# Altium PCB PCB Getway.PcbDoc (continued)
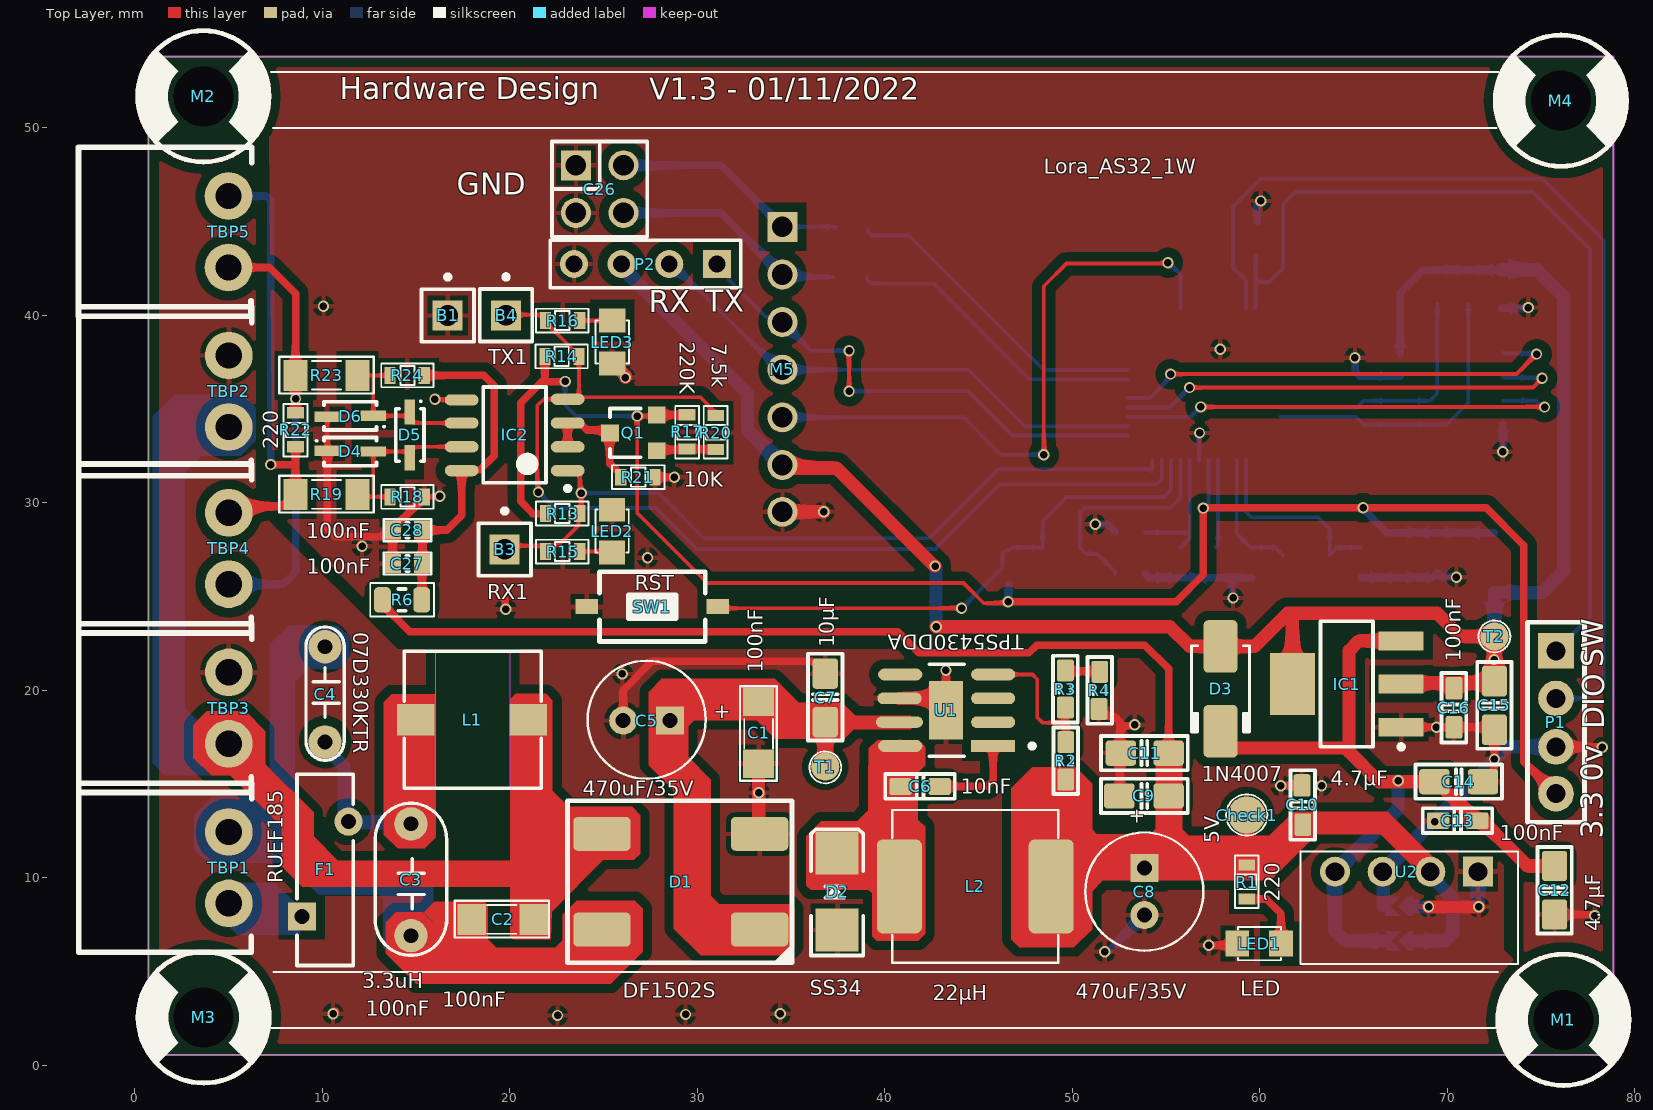
[diagram p0: Top Layer view]
## Footprints (in the part's own frame and the unit in brackets; to place one, negate y for a bottom-side part, rotate by r counter-clockwise, add the part's x,y. Pads: shape width x height; smd on the part's side, far side on the other; paste and mask are expansions set on the pad) (continued)
  Top Layer region: 0.673,0.508 0.419,0.508 -0.089,0 0.419,-0.508 0.673,-0.508
  Top Layer region: -0.743,0 -0.489,0 0.019,0.508 -0.743,0.508
  Top Layer region: -0.743,0 -0.489,0 0.019,-0.508 -0.743,-0.508
  silkscreen extent -1.3,-0.61 1.4,0.61
SB_0603#2 [mm]
  rect 0.9x1.016 smd: 1(0.898,0)
  rect 0.7x1.016 smd mask-0.051: 2(-0.857,0)
  Top Layer region: 0.714,0.508 0.46,0.508 -0.048,0 0.46,-0.508 0.714,-0.508
  Top Layer region: -0.743,0 -0.489,0 0.019,0.508 -0.743,0.508
  Top Layer region: -0.743,0 -0.489,0 0.019,-0.508 -0.743,-0.508
  silkscreen extent -1.3,-0.61 1.4,0.61
SMD-2 [mm]
  round 2 smd paste+0 mask+0: 1(0,0)
  silkscreen extent -1.1,-1.1 1.1,1.1
SMD_1.5#1 [mm]
  round 1.5 smd paste+0 mask+0: 1(0,0.041)
  silkscreen extent -0.85,-0.85 0.85,0.85
SMD_1.5#2 [mm]
  round 1.5 smd paste+0 mask+0: 1(0,0)
  silkscreen extent -0.85,-0.85 0.85,0.85
SO8 [mm] "SOIC, 8-Leads, Body 4.9x3.9mm, Pitch 1.27mm, IPC High Density"
  oval 1.8x0.6 smd: 1(-2.825,1.905) 2(-2.825,0.635) 3(-2.825,-0.635) 4(-2.825,-1.905) 5(2.825,-1.864) 6(2.825,-0.635) 7(2.825,0.635) 8(2.825,1.905)
  silkscreen extent -2.95,-2.55 1.68,2.98, body extent -2.99,-2.45 3,2.45, height 1.6
SOT23-321 [mm]
  rect 0.9x0.95 smd mask+0: 1(0.95,-1.25)
  rect 0.9x0.95 smd: 2(0,1.25) 3(-0.95,-1.25)
  silkscreen extent -1.3,-0.38 1.3,1.25, body extent -1.52,-1.23 1.48,1.27, height 1.06
SOT223 [mm]
  rect 1x2.4 smd: 1(-2.3,-2.9) 2(0,-2.9) 3(2.3,-2.9)
  rect 3.3x2.4 smd: 4(0,2.9)
  silkscreen extent -3.47,-3.03 3.35,1.4, body extent -3.25,-3.56 3.25,3.4, height 1.68
STM32G070CBT6 [mm]
  rect 1.355x0.212 smd paste+0 mask+0: 1(-4.075,2.75)
  rrect100% 1.355x0.212 smd paste+0 mask+0: 2(-4.075,2.25) 3(-4.075,1.75) 4(-4.075,1.25) 5(-4.075,0.75) 6(-4.075,0.25) 7(-4.075,-0.25) 8(-4.075,-0.75) 9(-4.075,-1.25) 10(-4.075,-1.75) 11(-4.075,-2.25) 12(-4.075,-2.75) 25(4.075,-2.75) 26(4.075,-2.25) 27(4.075,-1.75) 28(4.075,-1.25) 29(4.075,-0.75) 30(4.075,-0.25) 31(4.075,0.25) 32(4.075,0.75) 33(4.075,1.25) 34(4.075,1.75) 35(4.075,2.25) 36(4.075,2.75)
  rrect100% 0.212x1.355 smd paste+0 mask+0: 13(-2.75,-4.075) 14(-2.25,-4.075) 15(-1.75,-4.075) 16(-1.25,-4.075) 17(-0.75,-4.075) 18(-0.25,-4.075) 19(0.25,-4.075) 20(0.75,-4.075) 21(1.25,-4.075) 22(1.75,-4.075) 23(2.25,-4.075) 24(2.75,-4.075) 37(2.75,4.075) 38(2.25,4.075) 39(1.75,4.075) 40(1.25,4.075) 41(0.75,4.075) 42(0.25,4.075) 43(-0.25,4.075) 44(-0.75,4.075) 45(-1.25,4.075) 46(-1.75,4.075) 47(-2.25,4.075) 48(-2.75,4.075)
  silkscreen extent -4.3,-2.75 2.75,3.66, body extent -4.5,-4.5 4.5,4.5, height 1.6
SW1-SMD [mm]
  rect 1.2x0.8 smd: 1(-3.5,0) 2(3.5,0)
  silkscreen extent -2.82,-1.85 2.82,1.85, body extent -3.05,-1.85 3.05,1.85, height 2.5
Terminal_Blocks_Pluggable_Socket__Right_Angle__3.81_mm_Pitch__2_Position [mm]
  round 2.54 hole 1.4 mask+0.127: 1(-1.905,0) 2(1.905,0)
  silkscreen extent -4.51,-8 4.5,1.23, body extent -4.4,-8 4.41,1.2, height 7.21
Test [mm] "1pins, 1 row, straight, gold plating"
  rect 1.6x1.6 hole 1.1: 1(0,0)
  silkscreen extent -1.4,-1.4 1.4,2.17, body extent -1.27,-1.27 1.27,1.27, height 8.54
TPS5430 [mm]
  rect 2.353x0.622 smd paste+0 mask+0: 1(-2.477,1.905)
  rrect100% 2.353x0.622 smd paste+0 mask+0: 2(-2.477,0.635) 3(-2.477,-0.635) 4(-2.477,-1.905) 5(2.477,-1.905) 6(2.517,-0.635) 8(2.477,1.905)
  rrect100% 2.5x0.6 smd paste+0 mask+0: 7(2.517,0.635)
  rect 1.8x3.1 smd paste-1000 mask+0: 9(0.041,0)
  silkscreen extent -4.68,-2.45 0.93,2.45, body extent -4.15,-2.95 4.15,2.95, height 0.25
"VIT - 3.2MM_2" [mm]
  round 0 hole 3.2 unplated: 1(0,0)
  Top Layer circle w0.254: c0,0 r3.5
  Bottom Layer circle w0.2: c0,0 r3.5
  silkscreen extent -3.5,-3.51 3.5,3.51
XT4-16.000MHz-4_V [mm] "Hand Drawn, 4-Leads, Body 3.2x2.5 mm"
  rect 1.4x1.2 smd: 1(-1.1,-0.8) 2(1.1,-0.8) 3(1.1,0.8) 4(-1.1,0.8)
  silkscreen extent -2.47,-0.93 -2.23,-0.68, body extent -1.6,-1.25 1.6,1.25, height 0.9
XTAL_3215 [mm]
  rect 1x1.8 smd: 1(-1.25,0) 2(1.25,0)
  silkscreen extent -0.6,-0.75 0.6,0.75, body extent -1.6,-0.75 1.6,0.75, height 0.81

## Part data
B1 B3 B4 Check1 T1 T2: library part Test, "WR-PHD 2.54 mm Angled Socket Header", Manufacturer="W¨¹rth Elektronik eiSos GmbH", partNo=613002143121, ComponentLink1 Description=Manufacturer, ComponentLink1URL=http://www.we-online.com, ComponentLink2 Description=Datasheet, ComponentLink2URL=http://katalog.we-online.de/em/datasheet/6130xx143121.pdf, Created by="Karrer Zheng", Created Date="29 March 2013", NoPins=02
C1 C2 C3 C4 C20 C21 C22 C23 C24 C25 C27 C28: library part CN
C5 C8: library part CN-ALU-DIP, "Capacitor (Semiconductor SIM Model)", LatestRevisionDate=17-Jul-2002, LatestRevisionNote="Re-released for DXP Platform.", PackageReference=C1206, Publisher="Altium Limited"
C6: library part CAPC_10000pF_0603_50V_10%, "10000pF ±10% 50V Ceramic Capacitor X7R 0603 (1608 Metric)", Manufacturer 1="TDK Corporation", Manufacturer Part Number 1=CGA3E2X7R1H103K080AA, Operating Temperature="-55°C ~ 125°C", Package / Case="0603 (1608 Metric)", Ratings=AEC-Q200, Supplier Part Number 1=445-5662-6-ND, Temperature Coefficient=X7R, Tolerance=±10%, Voltage - Rated=50V, Pcs 2=10, Price 2=1900, Supplier 1=Digi-Key, Supplier 2=https://www.thegioiic.com, Supplier Part Number 2=https://www.thegioiic.com/products/tu-gom-0603-10nf-50v
C7: library part CAPC_10uF_0805_X7R_25V_10%, "10µF ±10% 25V Ceramic Capacitor X7R 1206 (3216 Metric)", Manufacturer 1="Taiyo Yuden", Manufacturer Part Number=TMK316AB7106KLHT, Operating Temperature="-55°C ~ 125°C", Package / Case="0805 (2012 metric)", Ratings=AEC-Q200, Supplier Part Number 1=587-3485-6-ND, Temperature Coefficient=X7R, Tolerance=±10%, Voltage - Rated=25V, Pcs 2=10, Price 2=5800, Supplier 1=Digi-Key, Supplier 2=https://www.thegioiic.com, Supplier Part Number 2=https://www.thegioiic.com/products/tu-gom-0805-10uf-25v
C9: library part CAPC_100nF_0805_X7R_50V_10%, "0.1µF ±10% 50V Ceramic Capacitor X7R 0805 (2012 Metric)", Manufacturer 1="Samsung Electro-Mechanics", Manufacturer Part Number=CL21B104KBFXPJE, Operating Temperature="-55°C ~ 125°C", Package / Case="0805 (2012 metric)", Ratings=AEC-Q200, Supplier Part Number 1=1276-CL21B104KBFXPJEDKR-ND, Temperature Coefficient=X7R, Tolerance=±10%, Voltage - Rated=50V, Pcs 2=10, Price 2=2000, Supplier 1=Digi-Key, Supplier 2=https://www.thegioiic.com, Supplier Part Number 2=https://www.thegioiic.com/products/tu-gom-0805-100nf-0-1uf-50v
C10 C13 C16 C17 C18 C19: library part CAPC_100nF_0603_X7R_50V_10%, "0.1µF ±10% 50V Ceramic Capacitor X7R 0603 (1608 Metric)", Manufacturer 1="TDK Corporation", Manufacturer Part Number 1=CGA3E2X7R1H104K080AA, Operating Temperature="-55°C ~ 125°C", Package / Case="0603 (1608 Metric)", Ratings=AEC-Q200, Supplier Part Number 1=445-5666-6-ND, Temperature Coefficient=X7R, Tolerance=±10%, Voltage - Rated=50V, Applications=Automotive, Packaging=Digi-Reel®, Pcs 2=10, Price 2=1800, Supplier 1=Digi-Key, Supplier 2=www.thegioiic.com, Supplier Part Number 2=https://www.thegioiic.com/products/tu-gom-0603-100nf-0-1uf-50v
C11 C12 C14 C15: library part CAPC_4.7uF_0805_X7R_50V_10%, "4.7µF ±10% 50V Ceramic Capacitor X7R 0805 (2012 Metric)", Manufacturer 1="TDK Corporation", Manufacturer Part Number=CGA4J1X7R1H475K125AE, Operating Temperature="-55°C ~ 125°C", Package / Case="0805 (2012 metric)", Ratings=AEC-Q200, Supplier Part Number 1=445-181410-6-ND, Temperature Coefficient=X7R, Tolerance=±10%, Voltage - Rated=50V, Pcs 2=1, Price 2=680, Supplier 1=Digi-Key, Supplier 2=https://www.thegioiic.com, Supplier Part Number 2=https://www.thegioiic.com/products/tu-gom-0805-4-7uf-50v
C26: "WR-PHD 2.54 mm Dual Socket Header", Manufacturer="W¨¹rth Elektronik eiSos GmbH", partNo=61300421821, ComponentLink1 Description=Manufacturer, ComponentLink1URL=http://www.we-online.com, ComponentLink2 Description=Datasheet, ComponentLink2URL=http://katalog.we-online.de/em/datasheet/6130xx21821.pdf, Created by="Karrer Zheng", Created Date="29 March 2013", NoPins=04
D1: library part DIODE_DF1502S, "Bridge Rectifier Single Phase Standard 200V Surface Mount DF-S", Manufacturer 1="Diodes Incorporated", Manufacturer Part Number 1=DF1502S-T, Package / Case="4-SMD, Gull Wing", Ratings="200V; 1.5A", Supplier Part Number 1=DF1502SDIDKR-ND, Diode Type=Standard, Mounting Type="Surface Mount", Pcs 2=1, Price 2=3500, Supplier 1=Digi-Key, Supplier 2=https://www.thegioiic.com, Supplier Part Number 2=https://www.thegioiic.com/products/df1502s-cau-chinh-luu-200v-1-5a
D2: library part "Diode SMD", "Default Diode", Code - JEDEC=DO-214-AB, Published=8-Jun-2000, Publisher="Altium Limited", Revision="July-2002: Re-released for DXP Platform."
D3: library part DIODE_1N4007, "Diode  Standard Rectifier SMD 1000V 1A SMA", Manufacturer 1="Micro Commercial Co", Manufacturer Part Number 1=SM4007PL-TP, Package / Case="DO-214AC, SMA", Ratings="1000V; 1A", Supplier Part Number 1=SM4007PL-TPMSDKR-ND, Diode Type=Standard, Mounting Type="Surface Mount", Pcs 2=1, Price 2=1000, Speed="Standard Recovery >500ns, > 200mA (Io)", Supplier 1=Digi-Key, Supplier 2=https://www.thegioiic.com, Supplier Part Number 2=https://www.thegioiic.com/products/1n4007-m7-diode-chinh-luu-1a-1kv
D4 D5 D6: "diode tvs"
IC1: library part IC_LM1117IMP-3.3, "Linear Voltage Regulator IC  1 Output  800mA SOT-223", Current - Output=800mA, Manufacturer="Texas Instruments", Manufacturer Part Number=LM1117IMP-3.3/NOPB, Operating Temperature="-40°C ~ 125°C", Supplier Device Package=SOT-223, Supplier Part Number 1=LM1117IMP-3.3/NOPBDKR-ND, Voltage - Input (Max)=15V, Voltage Dropout (Max)="1.2V @ 800mA", Pcs 2=1, Price 2=11000, Protection Features="Over Current, Over Temperature", PSRR="75dB (120Hz)", Supplier 1=Digi-Key, Supplier 2=https://www.thegioiic.com, Supplier Part Number 2=https://www.thegioiic.com/products/lm1117imp-3-3-nopb-ic-on-ap-3-3v-800ma
IC2: library part MAX485, "RS232 - RS485 (Same sn75176)"
L1: library part L-SMD-1, Inductance="1.0 μH", Manufacturer="Wurth Elektronik", partNo=78477010, ComponentLink1Description=Manufacturer, ComponentLink1URL=http://www.we-online.de, ComponentLink2Description=Datasheet, ComponentLink2URL=http://katalog.we-online.de/pbs/datasheet/78477010.pdf, Created by="Baojun Chen", Created Date=Nov.2015
L2: library part INDC_SMD_22uH_8D43, "22µH Shielded Wirewound Inductor 950mA 380mOhm Max Nonstandard", Current Rating (Amps)="3.25 A", Manufacturer 1=Yageo, Operating Temperature="-40°C ~ 125°C", Ratings="None AEC-Q200", Pcs 2=1, Price 2=2000, Supplier 1=Digi-Key, Supplier 2=https://www.thegioiic.com/, Supplier Part Number 2=https://www.thegioiic.com/products/cuon-cam-dan-smd-8d43-220-22uh-3-25a
LED1 LED2 LED3: library part "LED SMD"
M1 M2 M3 M4: library part "VIT - 3.2mm_1"
P1 P2: "Header, 4-Pin", LatestRevisionDate=17-Jul-2002, LatestRevisionNote="Re-released for DXP Platform.", Publisher="Altium Limited"
Q1: "PNP 600mW, ECB"
R1 R7 R8 R9 R10 R11 R12 R13 R14 R15 R16 R17 R18 R19 R20 R21 R22 R23 R24: library part Res-SMD, "Resistor", Manufacturer="Generic Components", Class=Passive, Published=08/06/2000, Publisher="Altium Hobart Technology Centre"
R2: library part RES_10K_0603_1%, "10 kOhms ±1% 0.1W, 1/10W Chip Resistor 0603 (1608 Metric) Anti-Sulfur, Automotive AEC-Q200, Moisture Resistant Thin Film", Manufacturer="Stackpole Electronics Inc", Manufacturer Part Number=RMCF0603FT10K0, Operating Temperature="-55°C ~ 155°C", Package / Case="0603 (1608 Metric)", Power (Watts)=1/10W, Ratings="Automotive AEC-Q200", Supplier Part Number 1=RMCF0603FT10K0DKR-ND, Temperature Coefficient=±100ppm/°C, Tolerance=±1%, Pcs 2=50, Price 2=2000, Supplier 1=Digi-Key, Supplier 2=www.thegioiic.com, Supplier Part Number 2=https://www.thegioiic.com/products/dien-tro-10-kohm-0603-1
R3: library part RES_3K_0603_1%, "3 kOhms ±1% 0.1W, 1/10W Chip Resistor 0603 (1608 Metric) Automotive AEC-Q200 Thick Film", Manufacturer="Stackpole Electronics Inc", Manufacturer Part Number=RMCF0603FT3K00, Operating Temperature="-55°C ~ 155°C", Package / Case="0603 (1608 Metric)", Power (Watts)=1/10W, Ratings=AEC-Q200, Supplier Part Number 1=RMCF0603FT3K00DKR-ND, Temperature Coefficient=±100ppm/°C, Tolerance=±1%, Pcs 2=50, Price 2=2000, Supplier 1=Digi-Key, Supplier 2=www.thegioiic.com, Supplier Part Number 2=https://www.thegioiic.com/products/dien-tro-3-kohm-0603-1
R4: library part RES_220R_0603_1%, "220 Ohms ±1% 0.1W, 1/10W Chip Resistor 0603 (1608 Metric) Automotive AEC-Q200 Thick Film", Manufacturer="Stackpole Electronics Inc", Manufacturer Part Number=RMCF0603FT220R, Operating Temperature="-55°C ~ 155°C", Package / Case="0603 (1608 Metric)", Power (Watts)="0.1W, 1/10W", Ratings=AEC-Q200, Supplier Part Number 1=RMCF0603FT220RDKR-ND, Temperature Coefficient=±100ppm/°C, Tolerance=±1%, Composition="Thick Film", Pcs 2=50, Price 2=2000, Supplier 1=Digi-Key, Supplier 2=www.thegioiic.com, Supplier Part Number 2=https://www.thegioiic.com/products/dien-tro-220-ohm-0603-1
R5: library part RES_0R/R1206/1%, "RES SMD 0.0 OHM JUMPER 1/4W 1206", Manufacturer="Bourns Inc.", Manufacturer Part Number=CR1206-J/-000ELF, Operating Temperature="-55°C ~ 155°C", Package / Case="1206 (3216 Metric)", Power (Watts)="0.25W, 1/4W", Resistance (Ohms)=0.0, Supplier Device Package=1206, Supplier Part Number 1=CR1206-J/-000ELFTR-ND, Temperature Coefficient="-250/ +500ppm/°C", Tolerance=Jumper, Category=Resistors, ComponentLink1Description=http://www.bourns.com/data/global/pdfs/CHPREZTR.pdf, ComponentLink1URL=http://www.bourns.com/data/global/pdfs/CHPREZTR.pdf, Composition="Thick Film", Features="Moisture Resistant", Height="0.030\" (0.75mm)", Number of Terminations=2, Packaging="Tape & Reel (TR)", Pricing 1="5000=0.00931, 10000=0.00809, 25000=0.00711, 50000=0.00652, 125000=0.00638 (USD)", RoHS="RoHS Compliant By Exemption", Size / Dimension="0.126\" L x 0.063\" W (3.20mm x 1.60mm)", Stock 1=80000, Supplier 1=Digi-Key
R6: library part RES_0R/R0805/1%_1, "RES SMD 0.0 OHM JUMPER 1/8W 0805", Manufacturer="Bourns Inc.", Manufacturer Part Number=CR0805-J/-000ELF, Operating Temperature="-55°C ~ 155°C", Package / Case="0805 (2012 Metric)", Power (Watts)="0.125W, 1/8W", Resistance (Ohms)=0.0, Supplier Device Package=0805, Supplier Part Number 1=CR0805-J/-000ELFTR-ND, Temperature Coefficient="-250/ +500ppm/°C", Tolerance=Jumper, Category=Resistors, ComponentLink1Description=http://www.bourns.com/data/global/pdfs/CHPREZTR.pdf, ComponentLink1URL=http://www.bourns.com/data/global/pdfs/CHPREZTR.pdf, Composition="Thick Film", Features="Moisture Resistant", Height="0.024\" (0.60mm)", Number of Terminations=2, Packaging="Tape & Reel (TR)", Pricing 1="5000=0.00741, 10000=0.00644, 25000=0.00566, 50000=0.00519, 125000=0.00508 (USD)", RoHS="RoHS Compliant By Exemption", Size / Dimension="0.079\" L x 0.049\" W (2.00mm x 1.25mm)", Stock 1=50000, Supplier 1=Digi-Key
SB1 SB2: library part CircuitBreakerOpen, "Circuit Breaker", Published=24-Mar-1999, Publisher="Altium Limited", Revision="July-2002: Re-released for DXP Platform."
SW1: library part SW2, "Switch button 2 pin"
TBP1 TBP2 TBP3 TBP4 TBP5: library part Terminal_Blocks_Pluggable_Socket__Right_Angle__3.81_mm_Pitch__2_Position, "WR-TBL Terminal block - serie 322 - 3.81 mm", Manufacturer 1="W¨¹rth Elektronik eiSos GmbH", Manufacturer Part Number 1=691322310002, ComponentLink1 Description=Manufacturer, ComponentLink1URL=http://www.we-online.com, ComponentLink2 Description=Datasheet, ComponentLink2URL=http://katalog.we-online.de/em/datasheet/6913223100xx.pdf, NoPins=02, Pcs 2=1, Price 2=2000, Supplier 1=Digi-Key, Supplier 2=https://www.thegioiic.com, Supplier Part Number 2=https://www.thegioiic.com/products/kf-3-81-2-r-terminal-block-plug-in-han-pcb-2-chan-cong-3-81mm
U2: library part B5050-1W
U3: "No Description Available", Built_By=EMA_UL_Team, Copyright="Copyright (C) 2018 Accelerated Designs. All rights reserved", Manufacturer_Part_Number=STM32G070CBT6, RefDes=RefDes, SourceLibrary=Updates_to_database_2020-10-19, Type=DEV, Vendor=STMicroelectronics
U4: "No Description Available", Mfr_Name=Microchip, Copyright="Copyright (C) 2022 Ultra Librarian. All rights reserved.", Manufacturer_Part_Number=24LC512T-I/SN, RefDes=RefDes, Type=DEV
X1: "Crystal, 16 MHz, -30 to 85 degC, 3.2 x 2.5 x 0.9 mm SMD"
X2: "XTAL SMD 3215, 32.768kHz, Cl=9pF, Total Tol: ±50ppm", Part Number=XTAL_SMD3215_32.768kHz_9pF_General, Footprint Doc=XTAL_3215, LatestRevisionDate=2016-08-19, Pin Count=2, Published=2016-08-19, Publisher="Nordic Semiconductor"

## Via types
v1: diameter 0.6, hole 0.4, Top Layer to Bottom Layer, tented both sides, 61 vias

## Nets (pads, with @x,y where several pads share a name; then routed paths per layer and width w, separated by ;. In a path a pad name is that pad's centre, name@x,y a point inside that pad or via, vN(x,y) a via of type N, cw(c..) or ccw(c..) an arc to the next point about the centre after c; other vN are vias at no path point)
3.3V: C15.2 C16.1 C17.1 D3.A IC1.2 IC1.4 M5.6 P2.3 R5.1 R11.1 R12.1 T2.1 U4.8 | length 112.8
  Top Layer w0.4: M5.6 37.264,32.004 37.433,31.835 ; C16.1 C16.1@70.358,20.396
  Top Layer w0.7: M5.6 34.713,31.835 37.433,31.835 42.652,26.616 v1(42.687,26.616) ; v1(42.744,23.373) 55.212,23.373 56.258,22.327 D3.A 59.728,22.327 61.495,24.094 ; IC1.4 61.743,23.845 61.495,24.094 ; IC1.2 67.619,20.396 70.358,20.396 72.441,20.396 C15.2 T2.1 70.703,22.86 69.47,24.094 61.495,24.094
  Bottom Layer w0.4: U4.8 67.488,41.199 68.689,42.4 R11.1@69.451,42.4 ; C17.1@72.898,42.418 C17.1@72.873,42.418 ; C17.1 C17.1@72.873,42.418 ; R11.1@69.451,42.4 72.854,42.4 C17.1@72.873,42.418 ; R11.1@69.451,42.4 R11.1 C17.1@72.873,42.418
  Bottom Layer w0.7: P2.3 25.969,42.517 32.682,35.804 32.682,33.866 M5.6 ; v1(42.687,26.616) 42.744,26.558 v1(42.744,23.373) ; v1(72.499,21.629) 72.517,21.647 R5.1 75.068,25.197 76.217,26.346 76.217,40.979 74.779,42.418 C17.1@72.898,42.418
5V_ISO: C12.1 C13.2 C14.2 D3.C IC1.3 SB1.2 U2.4 | length 41.6
  Top Layer w0.7: D3.C 57.912,17.45 58.462,16.9 64.77,16.9 ; IC1.3 65.292,22.62 64.77,22.098 64.77,16.9 ; C12.1 74.265,10.619 73.113,11.771 73.113,11.78 71.862,13.032 71.442,13.032 71.342,13.132 71.342,13.223 69.452,15.113 C14.2 66.359,15.113 64.77,16.702 64.77,16.9
  Bottom Layer w0.7: SB1.2 64.553,6.626 64.318,6.861 64.019,7.161 U2.4 67.384,13.677 v1(67.384,15.167)
24Vdc: C1.2 C5.1 C7.2 D1.1 T1.1 U1.7 | length 30.2
  Top Layer w0.7: D1.1 30.62,7.229 29.847,8.001 29.847,15.059 28.555,16.352 C5.1 29.551,19.37 C1.2 33.337,19.37 34.42,18.288 C7.2 ; T1.1 C7.2 ; U1.7 C7.2
+5: C8.1 C9.1 C10.1 C11.2 Check1.1 L2.2 R1.1 R2.2 R6.1 SB1.1 U2.2 | length 92
  Top Layer w0.4: R6.1 13.212,24.585 14.68,23.116 40.693,23.116 41.825,21.984 47.695,21.984 48.11,22.398 53.872,22.398 55.143,21.126 C11.2 C9.1 55.143,10.82 54.964,10.641 C8.1@53.988,10.641 ; L2.2 49.857,10.501 50.907,10.501 ; R2.2 49.657,15.105 50.673,14.089 50.673,10.735 50.907,10.501 ; Check1.1 R1.1 ; C10.1 62.295,12.679 60.284,10.668 R1.1 ; 50.907,10.501 C8.1 C8.1@53.988,10.641 ; C8.1@53.988,10.641 54.015,10.668 R1.1
  Top Layer w0.7: C10.1 66.582,12.829 U2.2
  Bottom Layer w0.7: SB1.1 69.882,6.626 70.292,7.036 70.292,8.889 69.099,10.082 U2.2
A0: U3.17 U4.1 | length 24.7
  Top Layer w0.2: v1(55.247,36.852) 73.698,36.852 v1(74.763,37.916)
  Bottom Layer w0.2: U3.17 54.16,35.572 55.247,36.659 v1(55.247,36.852) ; U4.1 73.003,37.945 74.735,37.945 v1(74.763,37.916)
A1: U3.16 U4.2 | length 24.9
  Top Layer w0.2: v1(56.262,36.134) 74.569,36.134 v1(75.057,36.623)
  Bottom Layer w0.2: U3.16 55.2,35.072 v1(56.262,36.134) ; U4.2 73.014,36.663 75.017,36.663 v1(75.057,36.623)
A2: U3.15 U4.3 | length 24.8
  Top Layer w0.2: v1(56.857,35.102) 75.182,35.102 v1(75.19,35.093)
  Bottom Layer w0.2: U3.15 56.327,34.572 v1(56.857,35.102) ; U4.3 74.742,35.433 75.082,35.093 v1(75.19,35.093)
AUX: M5.5 U3.28 | length 33.6
  Top Layer w0.2: v1(48.488,32.553) 48.488,41.533 49.698,42.744 55.054,42.744 v1(55.103,42.793)
  Bottom Layer w0.2: M5.5 44.217,34.544 46.208,32.553 v1(48.488,32.553) ; v1(55.103,42.793) 55.144,42.793 55.773,42.165 U3.28
"Control Modbus": IC2.2 IC2.3 Q1.2 R21.2 | length 6.4
  Top Layer w0.4: IC2.2 IC2.3 23.744,34.242 24.125,33.861 25.199,33.861 Q1.2 25.328,33.691 25.328,32.063 25.395,32.063 25.395,32.036 25.93,31.501 R21.2
DIO: P1.2 U3.35 | length 53.9
  Bottom Layer w0.2: U3.35 59.273,41.838 58.573,42.538 58.573,45.772 60.068,47.268 75.055,47.268 78.344,43.979 78.344,20.416 77.479,19.552 P1.2
GND: C1.1 C5.2 C7.1 C8.2 C9.2 C10.2 C11.1 D1.3 D2.1 LED1.2 R4.1 SB2.1 TBP2.1 TBP3.1 U1.6 U1.9 U2.1 | length 39.3
  Top Layer w0.4: v1(10.582,2.738) v1@10.721,2.878 ; v1@22.508,2.645 v1(22.554,2.645) ; C5.2 26.055,19.996 27.589,21.529 36.121,21.529 36.161,21.489 36.355,21.489 36.83,21.014 C7.1 ; U1.9 43.266,21.044 v1(43.269,21.047) ; R4.1 51.57,18.99 51.976,18.583 52.261,18.583 52.544,18.3 52.544,18.107 ; C9.2 52.544,14.383 52.544,18.107 ; v1(53.34,18.143) 53.305,18.107 52.544,18.107 ; v1(57.287,6.386) 58.71,6.386 LED1.2 ; v1(61.125,14.898) 61.132,14.905 62.247,14.905 C10.2
  Top Layer w0.7: D1.3@33.274,12.329 33.286,12.341 v1(33.286,14.517) 33.274,14.529 C1.1 ; U1.6 42.631,19.558 U1.9 ; v1(69.008,8.437) v1(71.679,8.437)
  Bottom Layer w0.4: v1(51.735,6.046) 51.893,6.046 C8.2
  Bottom Layer w0.7: SB2.1 68.39,8.437 v1(69.008,8.437) ; U2.1 71.639,8.477 v1(71.679,8.437)
  other v1: 29.38,2.699 34.434,2.738 63.299,14.893 26.009,20.857
GND_ISO: B1.1 C12.2 C13.1 C14.1 C15.1 C16.2 C17.2 C18.2 C19.2 C20.2 C21.1 C22.1 C23.1 C24.2 C25.2 C26.1 C26.2 C27.1 C28.2 D4.1 D6.2 IC1.1 IC2.5 LED2.2 LED3.2 M5.7 P1.3 P2.4 R7.2 R18.1 R21.1 SB2.2 SW1.2 U2.3 U3.7 U4.4 U4.7 X1.2 X1.4 | length 70.3
  Top Layer w0.2: D4.1 D6.2 ; R18.1 16.243,30.305 v1(16.268,30.329) ; v1(16.017,35.506) 16.035,35.489 16.122,35.489 16.139,35.471 IC2.5
  Top Layer w0.4: D4.1 10.277,28.61 10.721,28.166 13.39,28.166 13.45,28.227 13.5,28.227 13.75,28.477 C28.2 ; C27.1 C28.2 ; R18.1 15.439,30.155 15.339,30.055 15.228,30.055 13.75,28.577 C28.2 ; 19.695,24.85 19.753,24.792 19.753,24.343 v1(19.791,24.305) ; R21.1 27.748,31.349 v1(28.784,31.349) ; IC1.1 v1(69.425,18.02) 72.379,18.02 C15.1 v1(72.517,16.321) 72.517,15.588 72.042,15.113 C14.1 ; v1(69.335,12.986) 69.464,12.986 C13.1 ; C12.2 77.812,8.029 v1(77.87,7.971) ; P1.3 78.241,16.971 v1(78.263,16.948)
  Top Layer w0.7: LED3.2 25.536,37.417 26.175,36.777 v1(26.175,36.664) ; M5.7 v1(36.751,29.505)
  Bottom Layer w0.2: U3.7 56.773,33.695 v1(56.793,33.715)
  Bottom Layer w0.4: v1(51.225,28.836) 51.886,28.836 52.286,28.436 X1.4 ; X1.2 54.094,25.997 58.566,25.997 ; v1(58.578,24.915) 58.566,24.927 58.566,25.997 ; C23.1 58.566,25.997 ; R7.2 59.858,45.883 v1(60.062,46.087) ; v1(65.076,37.721) 65.092,37.706 65.092,36.978 65.326,36.744 U4.7 ; C22.1 69.219,25.997 69.469,26.247 C19.2 69.712,26.02 v1(70.492,26.02) ; C17.2 74.28,40.361 v1(74.315,40.396) ; v1(72.958,32.71) 72.974,32.725 U4.4
  Bottom Layer w0.7: SB2.2 66.591,10.28 U2.3 73.217,16.971 P1.3
  other v1: 27.356,27.061 12.13,27.671 57.899,38.179 10.071,40.47
I2C_1_SCL: R11.2 U3.45 U4.6 | length 13.5
  Bottom Layer w0.2: U3.45 65.171,35.072 65.532,35.433 U4.6 69.088,35.433 69.469,35.814 R11.2
I2C_1_SDA: R12.2 U3.46 U4.5 | length 16
  Bottom Layer w0.2: U3.46 65.123,34.572 65.532,34.163 U4.5 69.977,34.163 71.12,35.306 R12.2
MAX3485: C27.2 C28.1 IC2.8 R6.2 R24.1 | length 18.3
  Top Layer w0.4: R6.2 15.331,24.83 15.331,26.729 C27.2 C28.1 16.644,28.527 17.44,29.323 IC2.8 17.478,31.74 18.417,31.74 19.167,32.491 19.167,36.23 18.616,36.782 R24.1
MD0: C26.4 M5.1 R9.2 | length 12.8
  Bottom Layer w0.2: M5.1 R9.2@37.363,44.704 ; R9.2 R9.2@37.404,44.687
  Bottom Layer w0.4: C26.4 31.261,47.987 M5.1
MD1: C26.3 M5.2 R8.2 | length 12.6
  Bottom Layer w0.2: M5.2 34.683,42.025 R8.2
  Bottom Layer w0.4: C26.3 31.261,45.447 M5.2
Modbus_A1: R22.2 R23.1 TBP4.2 TBP5.2 | length 23.6
  Top Layer w0.4: TBP5.2 7.178,42.537 8.581,41.134 R22.2
  Bottom Layer w0.4: TBP4.2 7.916,25.645 8.58,26.31 v1(8.58,35.525)
Modbus_B1: R19.1 R22.1 TBP4.1 TBP5.1 | length 24.4
  Top Layer w0.4: TBP4.1 5.37,29.806 8.146,29.806 8.581,30.241 R19.1 8.581,32.045 ; v1(7.253,32.023) 8.559,32.023 8.581,32.045 ; R22.1 8.581,32.045
  Bottom Layer w0.4: TBP5.1 7.035,46.347 7.269,46.112 7.269,32.039 v1(7.253,32.023)
NetC2_1: C2.1 C3.1 C4.1 D1.2 TBP1.1 | length 40.3
  Top Layer w0.7: C3.1 16.248,5.382 18.007,5.382 23.838,5.382 24.754,6.298 24.754,7.068 D1.2 ; C2.1 18.007,7.734 18.007,5.384 18.005,5.382
  Bottom Layer w0.7: TBP1.1 5.317,12.733 7.339,12.733 7.944,13.338 ; C4.1 9.949,22.103 8.482,22.103 7.944,21.565 7.944,13.338 ; C3.1 14.732,9.2 14.203,9.729 9.776,9.729 7.944,11.561 7.944,13.338
NetC3_2: C3.2 C4.2 F1.2 L1.1 | length 13.8
  Top Layer w0.7: C3.2 14.863,12.998 14.863,18.284 L1.1
  Bottom Layer w0.7: C4.2 10.155,16.937 11.181,15.912 11.181,13.204 11.461,12.924 14.676,12.924 C3.2
NetC6_1: C6.1 U1.1 | length 4.8
  Top Layer w0.4: C6.1 45.466,14.859 45.784,15.177 U1.1
NetC6_2: C6.2 D2.2 L2.1 U1.8 | length 11.6
  Top Layer w0.7: D2.2 38.258,10.51 39.931,10.51 40.781,9.66 L2.1 40.806,9.55 40.806,16.993 U1.8
NetD4_2: D4.2 D5.2 IC2.7 R18.2 R19.2 | length 9.5
  Top Layer w0.2: R19.2 12.01,30.305 12.817,30.305 ; R18.2 12.817,30.305 ; D5.2 D5.2@14.677,32.543 ; IC2.7 14.867,32.972 14.677,32.782 D5.2@14.677,32.543 ; 12.817,30.305 12.727,30.394 D4.2 14.502,32.718 D5.2@14.677,32.543
NetD5_1: D5.1 D6.1 IC2.6 R23.2 R24.2 | length 9.2
  Top Layer w0.2: R23.2 12.753,36.782 ; R24.2@13.623,36.782 12.753,36.782 ; D5.1 D5.1@14.677,34.798 ; IC2.6 14.867,34.242 14.677,34.432 D5.1@14.677,34.798 ; 12.753,36.782 12.727,36.756 D6.1 14.502,34.623 D5.1@14.677,34.798
NetF1_1: F1.1 TBP1.2 | length 4.2
  Bottom Layer w0.7: TBP1.2 5.517,8.625 6.212,7.93 F1.1
NetLED1_1: LED1.1 R1.2 | length 3.7
  Top Layer w0.4: R1.2 60.363,8.852 61.128,8.087 LED1.1
NetLED2_1: LED2.1 R15.2 | length 1.7
  Top Layer w0.2: R15.2 25.411,27.384 LED2.1
NetLED3_1: LED3.1 R16.2 | length 1.7
  Top Layer w0.2: R16.2 LED3.1
NetQ1_3: Q1.3 R17.1 R20.2 | length 3.2
  Top Layer w0.4: Q1.3 27.898,32.812 29.414,32.812 R17.1 ; R17.1@29.486,32.862 29.504,32.843 30.968,32.843 R20.2
NetR2_1: R2.1 R3.2 U1.4 | length 8
  Top Layer w0.2: U1.4 47.879,20.828 48.133,20.574 48.133,18.542 48.412,18.263 49.657,18.263
  Top Layer w0.4: R3.2 49.657,19.045 49.657,18.263 R2.1
NetR3_1: R3.1 R4.2 | length 1.9
  Top Layer w0.4: R3.1 49.675,21.008 51.431,21.008 R4.2
NetR8_1: R8.1 U3.19 | length 16.2
  Bottom Layer w0.2: R8.1 39.064,41.875 39.264,41.675 42.628,41.675 47.731,36.572 U3.19
NetR9_1: R9.1 U3.20 | length 17
  Bottom Layer w0.2: R9.1 39.128,44.446 39.328,44.246 41.312,44.246 48.485,37.072 U3.20
OSC32_IN: C22.2 U3.2 X2.2 | length 10.8
  Bottom Layer w0.2: U3.2 59.273,29.5 59.563,29.21 63.119,29.21 63.734,28.595 63.734,27.197 64.134,27.597 C22.2
OSC32_OUT: C23.2 U3.3 X2.1 | length 6.9
  Bottom Layer w0.2: U3.3 58.773,28.337 59.513,27.597 C23.2 60.834,27.597 61.234,27.197 X2.1
OSC_IN: C20.1 U3.8 X1.1 | length 7.3
  Bottom Layer w0.2: X1.1 56.23,28.405 56.273,28.448 ; C20.1 55.803,27.597 56.153,27.947 56.153,27.997 56.273,28.117 56.273,28.448 ; U3.8 56.273,28.448
OSC_OUT: C21.2 U3.9 X1.3 | length 12
  Bottom Layer w0.2: X1.3 52.286,26.305 51.344,27.247 50.769,27.247 C21.2 50.419,29.464 50.673,29.718 55.245,29.718 55.773,30.246 U3.9
RST_STM: C25.1 R10.2 SW1.1 U3.10 | length 29.6
  Top Layer w0.2: SW1.1@31.111,24.449 31.196,24.365 v1(44.098,24.365)
  Bottom Layer w0.2: v1(44.098,24.365) 46.275,26.541 46.275,27.252 46.475,27.452 R10.2 46.651,27.477 46.773,27.6 C25.1 48.425,29.025 49.7,30.3 54.9,30.3 55.273,30.673 U3.10
SWCLK: P1.1 R7.1 U3.36 | length 48.1
  Bottom Layer w0.2: U3.36 59.773,41.767 ; R7.1 59.773,43.136 59.773,41.767 ; P1.1 77.618,23.909 77.618,43.519 74.572,46.565 61.909,46.565 61.26,45.915 61.26,42.516 60.51,41.767 59.773,41.767
UART1_RX: U3.32
UART1_TX: U3.29
UART2_RX: M5.4 P2.2 U3.14 | length 28.1
  Bottom Layer w0.2: P2.2 28.708,42.721 34.243,37.186 34.243,37.084 M5.4 44.45,37.084 47.462,34.072 U3.14
UART2_TX: M5.3 P2.1 U3.13 | length 27.1
  Top Layer w0.2: v1(38.1,35.941) v1(38.1,38.1)
  Bottom Layer w0.2: P2.1 31.698,42.071 31.698,41.867 32.686,40.88 33.674,39.892 34.276,39.892 M5.3 36.068,38.1 v1(38.1,38.1) ; v1(38.1,35.941) 44.45,35.941 46.819,33.572 U3.13
UART4_RX: B3.1 IC2.1 R13.2 R15.1 U3.12 | length 41.8
  Top Layer w0.2: B3.1 19.938,27.702 21.716,27.702 R15.1@21.916,27.502 ; R15.1 R15.1@21.916,27.502 ; IC2.1 23.552,31.702 23.737,31.517 23.737,30.584 v1(23.814,30.507) 23.814,29.497 23.672,29.356 23.672,28.783 22.623,27.734 22.116,27.734 21.916,27.534 R15.1@21.916,27.502
  Bottom Layer w0.2: v1(23.814,30.507) 27.939,30.507 30.351,28.096 42.364,28.096 46.043,31.775 54.267,31.775 54.273,31.781 U3.12
UART4_TX: B4.1 IC2.4 R14.2 R16.1 R20.1 U3.11 | length 59.2
  Top Layer w0.2: B4.1 19.838,40.015 21.716,40.015 21.916,39.815 21.916,39.553 22.116,39.353 22.184,39.353 23.389,38.148 23.494,38.148 23.694,37.948 R14.2 23.694,35.559 23.73,35.524 23.794,35.588 23.981,35.588 24.007,35.615 30.172,35.615 30.546,35.241 30.546,35.215 30.987,34.774 R20.1 ; v1(21.532,30.559) 21.47,30.621 21.47,35.169 21.812,35.512 IC2.4 23.114,35.535 IC2.4@23.694,35.535
  Bottom Layer w0.2: v1(21.532,30.559) 22.382,29.709 27.78,29.709 29.967,27.521 42.71,27.521 46.161,30.972 54.476,30.972 54.773,31.269 U3.11
V_BAT: U3.4
V_MCU: C18.1 C19.1 P1.4 Q1.1 R5.2 R10.1 R13.1 R14.1 R17.2 U3.6 | length 103.7
  Top Layer w0.2: Q1.1 27.796,34.61 v1(26.805,34.61) 26.805,29.445 30.535,25.715 44.196,25.715 45.279,24.633 46.502,24.633 v1(46.579,24.709)
  Top Layer w0.4: R14.1 21.878,36.603 21.715,36.44 ; R13.1 21.23,29.416 20.587,30.059 20.587,35.312 21.715,36.44 ; v1(22.963,36.456) 22.947,36.44 21.715,36.44 ; Q1.1 27.856,34.67 29.456,34.67 R17.2 ; v1(46.579,24.709) 55.539,24.709 56.994,26.163 v1(56.994,29.709) 56.997,29.712 65.508,29.712 v1(65.511,29.716) 72.081,29.716 74.087,27.71 74.087,16.185 P1.4
  Bottom Layer w0.2: v1(22.963,36.456) 22.963,35.197 23.55,34.61 v1(26.805,34.61) ; v1(56.994,29.709) 57.273,29.988 U3.6
  Bottom Layer w0.4: v1(46.579,24.709) 46.602,24.732 46.602,25.613 R10.1 ; v1(65.511,29.716) 65.511,29.662 66.776,28.397 R5.2
V_VREF: C24.1 U3.5 | length 4.7
  Bottom Layer w0.2: C24.1 57.773,27.712 U3.5
Vin: C2.2 D1.4 L1.2 TBP2.2 TBP3.2 | length 60
  Top Layer w0.7: TBP3.2 8.865,13.289 8.865,11.248 9.699,10.414 20.605,10.414 20.974,10.044 ; L1.2 20.974,18.396 20.974,10.044 ; C2.2 20.97,8.073 20.97,8.564 20.955,8.58 20.955,9.569 21.306,9.569 ; C2.2@21.309,8.021 21.309,8.564 21.309,9.569 ; D1.4 24.291,12.329 23.741,11.779 23.741,10.406 22.904,9.569 21.309,9.569 ; 20.974,10.044 21.202,9.816 21.309,9.709 21.309,9.569
  Bottom Layer w0.7: TBP3.2 4.667,17.487 3.168,17.487 2.109,18.546 2.109,33.389 2.747,34.027 TBP2.2
pads on no net: C6.0 C7.0 C9.0 C10.0 C11.0 C12.0 C13.0 C14.0 C15.0 C16.0 C17.0 C18.0 C19.0 D1.0 D3.0 L2.0 M1.1 M2.1 M3.1 M4.1 R2.0 R3.0 R4.0 U1.2 U1.3 U1.5 U3.1 U3.18 U3.21 U3.22 U3.23 U3.24 U3.25 U3.26 U3.27 U3.30 U3.31 U3.33 U3.34 U3.37 U3.38 U3.39 U3.40 U3.41 U3.42 U3.43 U3.44 U3.47 U3.48

## Polygon pours and split planes (outlines as drawn)
GND on Bottom Layer "NONET_L-01_P-001" (solid, remove dead copper, pour order 6): 0.854,53.692 6.461,53.692 6.461,29.824 14.032,22.254 54.654,22.254 56.598,20.309 56.598,16.379 56.855,16.123 64.132,16.131 68.968,11.294 73.024,11.294 73.024,6.244 74.235,5.033 78.699,5.033 78.699,0.674 0.903,0.674
GND_ISO on Bottom Layer "NONET_L-01_P-001" (solid, remove dead copper, pour order 4): 6.793,53.152 8.9,53.152 78.344,53.152 78.344,7.17 78.344,5.447 74.159,5.447 74.159,11.37 73.819,11.709 69.115,11.709 62.957,17.867 59.964,17.867 54.917,22.913 54.661,22.657 14.206,22.657 14.206,22.999 6.793,30.054
GND on Top Layer "NONET_L-01_P-001" (solid, remove dead copper, pour order 5): 1.17,53.785 6.462,53.785 6.462,29.735 14.032,22.165 54.654,22.165 56.598,20.221 56.598,16.291 56.855,16.034 64.627,16.043 69.182,11.488 72.189,11.488 73.024,10.654 73.024,6.155 74.235,4.944 78.734,4.944 78.734,1.15 1.219,1.15
GND_ISO on Top Layer "NONET_L-01_P-001" (solid, remove dead copper, pour order 3): 7.156,53.205 78.802,53.205 78.802,6.627 78.802,5.447 74.073,5.447 74.073,11.37 73.734,11.709 69.029,11.709 62.871,17.867 59.878,17.867 54.832,22.913 54.575,22.657 14.12,22.657 14.12,22.999 7.364,29.756

## Keep-outs
Keep-Out Layer:
  lines w0.1: 0.752,0.539 78.865,0.539 78.865,53.78 0.752,53.78 0.752,0.539

## Other copper
Top Layer:
  region net 24Vdc: 27.419,18.901 27.419,15.999 28.75,14.667 28.75,7.274 30.178,5.846 34.668,5.846 35.182,6.359 35.182,8.332 34.941,8.573 31.188,8.573 30.723,9.038 30.723,15.229 29.52,16.432 29.52,18.068 29.841,18.388 33.177,18.388 34.155,17.41 37.844,17.41 38.352,17.918 41.399,17.918 41.517,18.035 41.517,18.495 41.379,18.632 38.441,18.624 37.743,19.322 35.427,19.322 34.15,20.599 28.122,20.599 27.414,19.891
  region net Vin: 20.242,9.501 8.944,9.501 7.852,10.592 7.852,12.704 5.107,15.449 4.086,15.449 3.136,16.399 3.136,18.159 3.84,18.864 5.917,18.864 6.973,17.808 6.973,16.048 9.542,13.478 9.542,12.211 10.844,10.908 20.77,10.908 20.946,10.733
  region net NetC2_1: 22.835,6.692 22.835,8.023 23.586,8.774 26.675,8.774 27.105,8.344 27.105,6.049 25.388,4.332 15.025,4.332 13.394,5.963 13.394,7.615 13.931,8.151 15.411,8.151 16.312,7.25 16.312,7.207 15.39,8.13 15.969,8.709 18.651,8.709 18.844,8.516 18.844,6.714 19.295,6.263 22.427,6.263 22.856,6.692
  region net +5: 46.76,9.042 46.76,14.751 47.883,15.873 50.192,15.873 51.058,15.007 51.058,12.569 51.314,12.313 54.169,12.313 54.49,12.634 54.458,12.666 54.458,16.579 54.842,16.964 55.869,16.964 55.869,12.57 56.221,12.217 60.519,12.217 61.817,13.515 66.823,13.515 69.532,10.806 68.826,10.1 68.538,10.1 68.538,10.229 66.453,12.313 63.053,12.313 60.583,9.844 51.635,9.844 51.058,9.267 51.058,7.246 50.096,6.284 47.177,6.284 46.76,6.701 46.76,7.182
  region net NetC6_2: 39.129,15.996 39.152,16.018 39.152,16.894 39.594,17.336 41.807,17.336 42.166,16.978 42.166,15.98 41.776,15.59 41.776,13.096 42.166,12.707 42.166,7.002 41.792,6.628 39.578,6.628 39.329,6.877 39.329,9.153 39.126,9.356 39.111,9.34 36.056,9.34 35.822,9.574 35.822,12.208 36.617,13.003 38.55,13.003 39.126,13.58
  region net Vin: 20.033,6.86 20.032,19.516 20.314,19.798 21.95,19.798 22.283,19.465 22.283,14.633 23.152,13.764 26.527,13.764 26.962,13.329 26.962,11.283 26.629,10.951 24.993,10.951 22.231,8.19 22.187,6.709 20.184,6.709
  region net NetC3_2: 13.297,18.425 13.297,19.359 13.719,19.781 16.009,19.781 16.028,19.799 16.046,19.781 16.046,12.139 15.459,11.552 14.03,11.552 13.297,12.285
Bottom Layer:
  region net NetF1_1: 4.692,9.717 4.71,9.735 7.484,9.735 8.807,8.412 8.807,6.944 5.472,6.944 4.402,8.013
  region net Vin: 0.96,16.109 0.96,34.592 2.13,35.761 5.782,35.761 6.465,35.078 6.465,33.303 5.646,32.484 3.564,32.484 2.676,31.597 2.676,19.035 3.359,18.353 5.885,18.353 6.499,17.739 6.499,16.202 5.748,15.452 1.618,15.452
  region net NetC2_1: 3.15,12.256 3.182,12.288 3.182,13.345 4.143,14.305 6.384,14.305 7.217,15.138 7.217,22.439 8.209,23.431 10.867,23.431 11.444,22.855 11.444,21.638 10.931,21.126 9.202,21.126 8.53,20.453 8.53,12.256 10.291,10.495 14.87,10.495 15.926,9.438 15.926,6.204 15.35,5.628 13.909,5.628 13.269,6.268 13.269,8.83 13.013,9.086 9.811,9.086 8.113,10.783 3.887,10.783 3.182,11.487

## Silkscreen, mask and mechanical layers (free items; w line width, h text height)
Top Overlay:
  lines w0.1: 7.274,52.968 72.728,52.968 ; 7.303,1.968 72.708,1.968 ; 7.361,49.968 72.62,49.968 ; 7.412,4.968 72.708,4.968
  text "Hardware Design" at 10.933,51.115 h2
  text "V1.3 - 01/11/2022" at 27.438,51.093 h2
  text "GND" at 17.19,46.022 h2
  text "TX" at 30.421,39.769 h2
  text "RX" at 27.422,39.738 h2
  text "SW" at 78.727,21.219 h2 r90
  text "DIO" at 78.77,17.918 h2 r90
  text "3.3 0v" at 78.685,12.078 h2 r90
Bottom Overlay:
  text "B1" at 2.786,45.447 h2 r90
  text "A1" at 2.786,41.618 h2 r90
  text "GND" at 2.786,35.974 h2 r90
  text "24V" at 2.786,32.3 h2 r90
  text "B1" at 2.786,28.331 h2 r90
  text "A1" at 2.786,24.501 h2 r90
  text "GND" at 2.786,19.091 h2 r90
  text "24V" at 2.487,15.362 h2 r90
  text "GND" at 2.786,10.101 h2 r90
  text "Vin" at 2.786,6.837 h2 r90

## Text inside footprints (layer, text, board x,y; h text height)
C5: Top Overlay "+" at 31.78,19.152 h0.8 r180
C8: Top Overlay "+" at 53.111,13.726 h0.8 r270
U2: Mechanical 3 "B5050" at 64.398,6.841 h1.52